# Altium PCB cyber60-alps.PcbDoc (part 1 of 4) (continued)
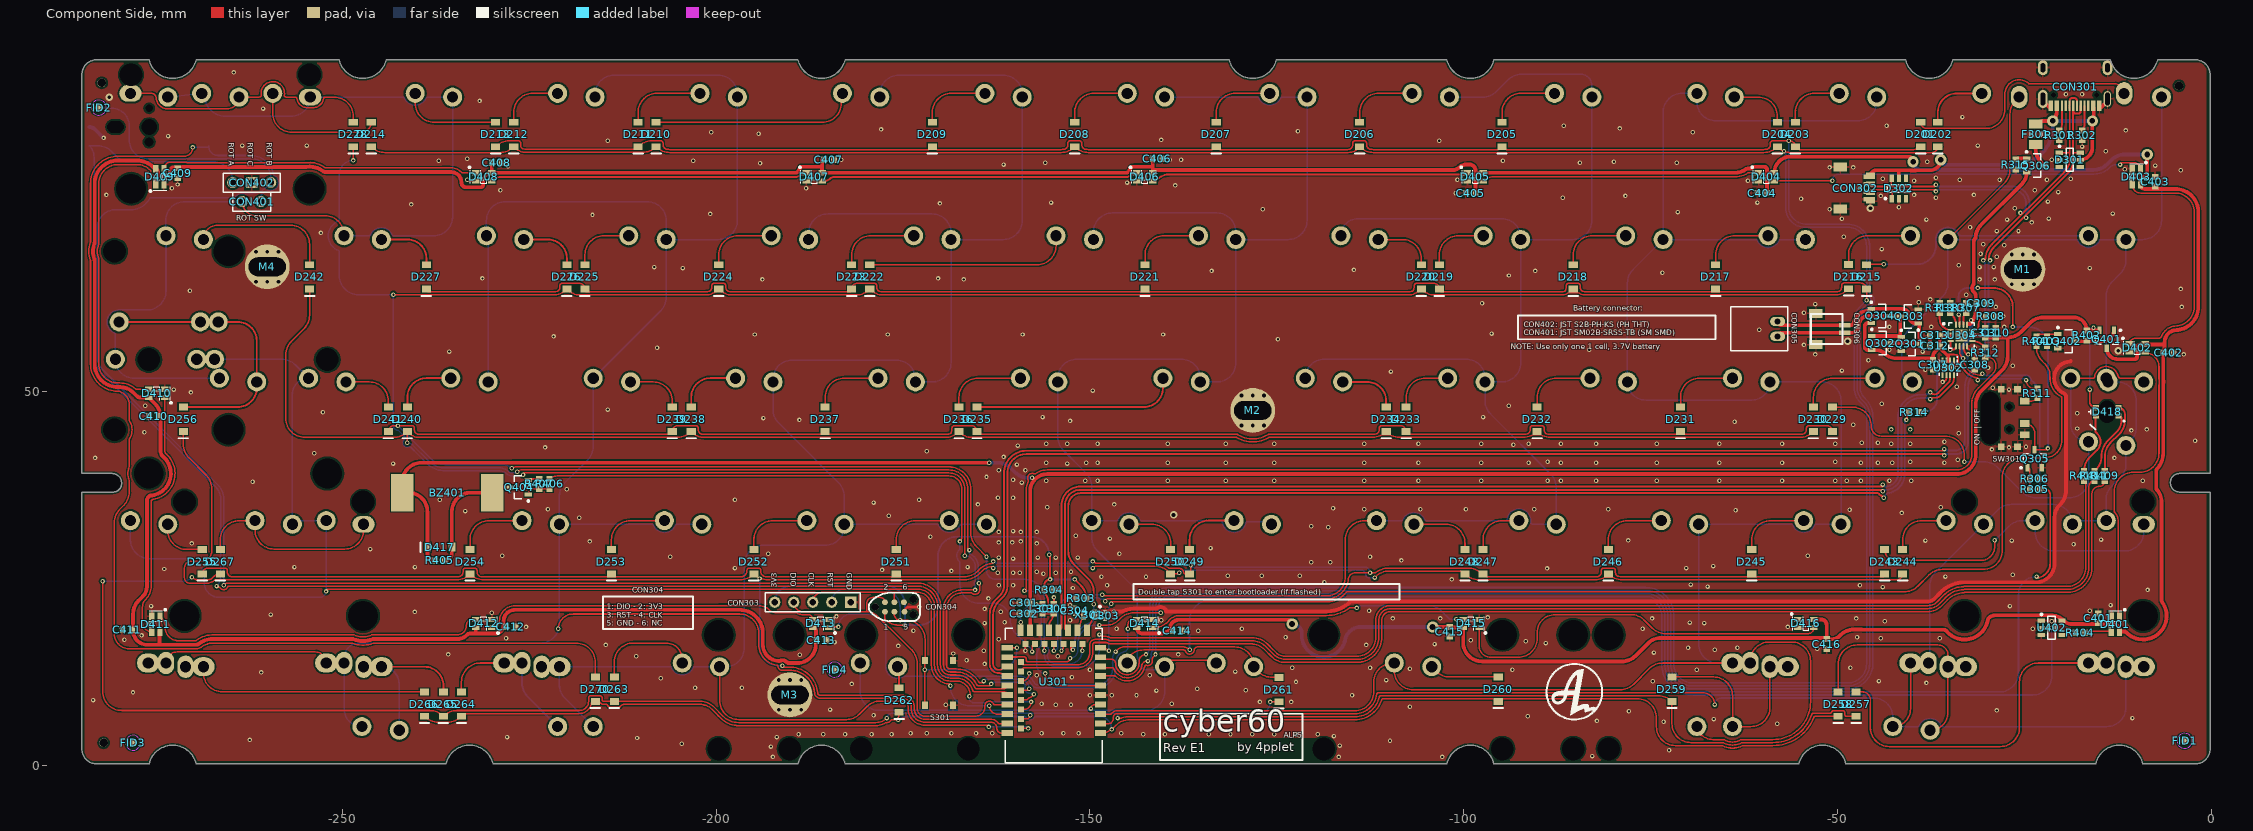
[diagram p0: Component Side view]
## Components (designator, comment, footprint, x,y, rotation, side; value= is the part's Value field where it differs from the comment) (continued)
S245 "MX" "Alps-switch - switched pol"#3 -52.012,28.265 r180 bottom locked
S246 "MX" "Alps-switch - switched pol"#3 -71.062,28.265 r180 bottom locked
S247 "MX" "Alps-switch - switched pol"#3 -90.112,28.265 r180 bottom locked
S248 "MX" Alps-switch#1 -109.162,28.265 r180 bottom locked
S249 "MX" "Alps-switch - switched pol"#3 -128.212,28.265 r180 bottom locked
S250 "MX" Alps-switch#2 -147.262,28.265 r180 bottom locked
S251 "MX" "Alps-switch - switched pol"#3 -166.312,28.265 r180 bottom locked
S252 "MX" "Alps-switch - switched pol"#3 -185.362,28.265 r180 bottom locked
S253 "MX" "Alps-switch - switched pol"#3 -204.412,28.265 r180 bottom locked
S254 "MX" "Alps-switch - switched pol"#3 -223.462,28.265 r180 bottom locked
S255 "MX" Alps-switch#1 -275.85,28.265 r180 bottom
S256 "MX" "ALPS-switch - Enter - rotated stab" -263.95,47.315 r180 bottom locked
S257 "MX" "ALPS-switch - 1.5u MOD-L" -13.912,9.215 r180 bottom locked
S258 "MX" "ALPS-switch - L_WIN - V3" -37.719,9.215 r180 bottom locked
S259 "MX" "ALPS-SWITCH - L_ALT - V3" -61.537,9.215 r180 bottom locked
S260 "MX" "ALPS-switch - 2.75U - Rotated stab" -106.78,9.215 r180 bottom locked
S261 "MX" "ALPS-switch - Space_V2" -142.499,9.215 r180 bottom locked
S262 "MX" "ALPS-switch - 2.75U - Rotated stab" -178.218,9.215 r180 bottom locked
S263 "MX" "Alps-switch - switched pol"#3 -202.031,9.215 r180 bottom locked
S264 "MX" "ALPS-SWITCH - R_ALT - V3" -223.462,9.215 r180 bottom locked
S265 "MX" "ALPS-switch - R_WIN V3" -247.269,9.215 r180 bottom
S266 "MX" "ALPS-switch - 1.5u MOD-R" -271.087,9.215 r180 bottom locked
S267 "MX" "ALPS-switch - right shift - stabs" -259.18,28.265 r180 bottom locked
S301 "SW-PB" "XKB SWITCH" -170.18,11.049 r270 top locked
SW301 "Korean Hroparts Elec K3-1296S-E2" "KOREAN HROPARTS ELEC K3-1296S-E2" -27,46.5 r180 top locked
U301 "E73-2G4M08S1C" E73-2G4M08S1C -154.813,0.356 r0 top locked
U302 "MAX17048" 8TDFN -35.179,53.213 r180 top
U304 "BQ24075" QFN16 -33.401,57.531 r0 top
U401 "EC-11 SMD" EC11-SMD -275.844,85.415 r90 bottom locked
U402 "SN74LV1T125" SOT-23-5 -21.336,18.415 r270 top
X301 "XTAL" XTAL-2012 -150.102,20.193 r180 top value=32.768KHz

## Footprints (in the part's own frame and the unit in brackets; to place one, negate y for a bottom-side part, rotate by r counter-clockwise, add the part's x,y. Pads: shape width x height; smd on the part's side, far side on the other; paste and mask are expansions set on the pad)
8TDFN [mm] "Generated for the MAX17048G+T10"
  rect 0.25x0.8 smd: 1(-0.75,-0.945) 2(-0.25,-0.945) 3(0.25,-0.945) 4(0.75,-0.945) 5(0.75,0.945) 6(0.25,0.945) 7(-0.25,0.945) 8(-0.75,0.945)
  rect 1.2x0.69 smd: 9(0,0)
  silkscreen extent -1.25,-1.5 1.2,1.05, body extent -1.05,-1.1 1.05,1.1, height 0.8
Alps-switch#1 [mm]
  round 2.54 hole 1.499 mask+0.102: 1(-2.5,4) 2(2.5,4.5)
  round 1 on Mech14: ""(0,0)
Alps-switch#2 [mm]
  round 2.54 hole 1.5 mask+0.102: 1(-2.5,4) 2(2.5,4.5)
  round 1 on Mech14: ""(0,0)
"ALPS-switch - 1.5U" [mm]
  round 2.54 hole 1.499 mask+0.102: 1(-2.5,4) 2(2.5,4.5)
  round 1 on Mech14: ""(0,0)
"ALPS-switch - 1.5u MOD-L" [mm]
  oval 3x2.54 hole 1.499 mask+0.102: 1(-4.881,4) 2(2.5,4.5)
  oval 2.2x3 hole 1.499 mask+0.102: 1(-2.5,4) 2(0.119,4.5)
  round 1 on Mech14: ""(-2.381,0) ""(0,0)
"ALPS-switch - 1.5u MOD-R" [mm]
  oval 3x2.54 hole 1.499 mask+0.102: 1(-2.5,4) 2(4.881,4.5)
  oval 2.2x3 hole 1.499 mask+0.102: 1(-0.119,4) 2(2.5,4.5)
  round 1 on Mech14: ""(0,0) ""(2.381,0)
"ALPS-switch - 2.75U - Rotated stab" [mil]
  round 100 hole 59 mask+4: 1(-98.43,157.48) 2(98.43,177.17)
  round 60 hole 120 unplated: ""(-470,-275) ""(470,-275)
  round 60 hole 157.01 unplated: ""(-470,325) ""(470,325)
  round 39.37 on Mech14: ""(0,0)
"ALPS-switch - backspace" [mil]
  round 100 hole 59 mask+4: 1(98.43,177.17) 1(276.57,157.48) 2(-98.43,157.48)
  oval 118.11x86.61 hole 59 mask+4: 2(473.43,177.17)
  round 60 hole 157.01 unplated: ""(-470,-325) ""(470,-325)
  round 60 hole 120 unplated: ""(-470,275) ""(470,275)
  round 39.37 on Mech14: ""(0,0) ""(375,0)
"ALPS-switch - CAPS" [mm]
  round 2.54 hole 1.499 mask+0.102: 1(-7.263,4) 1(0.119,-4) 1(2.5,4.5) 2(-4.881,-4.5) 2(-2.5,4) 2(-2.262,4.5)
  round 1 on Mech14: ""(-4.763,0) ""(-2.381,0) ""(0,0)
"ALPS-switch - Enter - rotated stab" [mil]
  round 100 hole 59 mask+4: 1(-98.43,157.48) 1(104.28,473.62) 1(198.03,473.62) 1(626.43,473.62) 2(98.43,177.17) 2(123.97,276.77) 2(217.72,276.77) 2(646.11,276.77)
  round 60 hole 157.01 unplated: ""(-470,-325) ""(50.2,-94.8) ""(50.2,845.2) ""(470,-325)
  round 60 hole 120 unplated: ""(-470,275) ""(470,275) ""(650.2,-94.8) ""(650.2,845.2)
  round 39.37 on Mech14: ""(0,0) ""(281.45,375.2) ""(375.2,375.2) ""(468.95,375.2)
"ALPS-SWITCH - L_ALT - V3" [mm]
  oval 3x2.54 hole 1.499 mask+0.102: 1(-4.881,4) 2(2.5,4.5)
  oval 2.2x3 hole 1.499 mask+0.102: 1(-2.5,4) 2(0.119,4.5)
  round 2.54 hole 1.499 mask+0.102: 1(2.5,-4) 2(7.263,-4)
  round 1 on Mech14: ""(-2.381,0.048) ""(0,0) ""(4.763,0)
"ALPS-switch - L_WIN - V3" [mm]
  oval 3x2.54 hole 1.499 mask+0.102: 1(-4.881,4) 2(2.5,4.5)
  oval 2.2x3 hole 1.499 mask+0.102: 1(-2.5,4) 2(0.119,4.5)
  round 2.54 hole 1.499 mask+0.102: 1(-0.119,-4.5) 2(4.881,-4)
  round 1 on Mech14: ""(-2.381,0) ""(0,0) ""(2.381,0)
"ALPS-switch - Left shift v2" [mil]
  oval 118.11x86.61 hole 59 mask+4.02: 1(-473.43,157.48)
  round 100 hole 59 mask+4.02: 1(98.43,177.17) 2(-276.57,177.17) 2(-98.43,157.48)
  round 60 hole 157.01 unplated: ""(-470,-325) ""(470,-325)
  round 60 hole 120 unplated: ""(-470,275) ""(470,275)
  round 39.37 on Mech14: ""(-375,0) ""(0,0)
"ALPS-SWITCH - R_ALT - V3" [mm]
  round 2.54 hole 1.499 mask+0.102: 1(-7.025,-4) 2(-2.262,-4)
  oval 3x2.54 hole 1.499 mask+0.102: 1(-2.5,4) 2(4.881,4.5)
  oval 2.2x3 hole 1.499 mask+0.102: 1(-0.119,4) 2(2.5,4.5)
  round 1 on Mech14: ""(-4.763,0) ""(0,0) ""(2.381,0)
"ALPS-switch - R_WIN V3" [mm]
  round 2.54 hole 1.499 mask+0.102: 1(-4.881,-4.5) 2(0.119,-4)
  oval 3x2.54 hole 1.499 mask+0.102: 1(-2.5,4) 2(4.881,4.5)
  oval 2.2x3 hole 1.499 mask+0.102: 1(-0.119,4) 2(2.5,4.5)
  round 1 on Mech14: ""(-2.381,0) ""(0,0) ""(2.381,0)
"ALPS-switch - right shift - stabs" [mil]
  round 100 hole 59 mask+4: 1(-276.57,177.17) 1(-98.43,157.48) 2(98.43,177.17)
  oval 118.11x86.61 hole 59 mask+4: 2(-473.43,157.48)
  round 60 hole 157.01 unplated: ""(-470,-325) ""(470,-325)
  round 60 hole 120 unplated: ""(-470,275) ""(470,275)
  round 39.37 on Mech14: ""(-375,0) ""(0,0)
"ALPS-switch - Space_V2" [mil]
  round 100 hole 59 mask+4.02: 1(-370.32,177.17) 1(-98.43,157.48) 2(-567.18,157.48) 2(98.43,177.17)
  round 60 hole 120 unplated: ""(-2437.4,-275) ""(-2250,-275) ""(1499.61,-275) ""(2250,-275)
  round 60 hole 157.01 unplated: ""(-2437.4,325) ""(-2250,325) ""(1499.61,325) ""(2250,325)
  round 39.37 on Mech14: ""(-468.75,0) ""(0,0)
"Alps-switch - switched pol"#1 [mm]
  oval 2.2x3 hole 1.499 mask+0.102: 1(2.5,4.5)
  round 2.54 hole 1.499 mask+0.102: 2(-2.5,4)
  round 1 on Mech14: ""(0,0)
"Alps-switch - switched pol"#2 [mm]
  round 2.54 hole 1.499 mask+0.102: 1(2.5,4.5)
  oval 2.2x3 hole 1.499 mask+0.102: 2(-2.5,4)
  round 1 on Mech14: ""(0,0)
"Alps-switch - switched pol"#3 [mm]
  round 2.54 hole 1.499 mask+0.102: 1(2.5,4.5) 2(-2.5,4)
  round 1 on Mech14: ""(0,0)
"Alps-switch - switched pol"#4 [mm]
  round 2.54 hole 1.499 mask+0.102: 1(2.5,4.5)
  oval 3x2.2 hole 1.499 mask+0.102: 2(-2.5,4)
  round 1 on Mech14: ""(0,0)
"buzzer 12x12" [mm] "Buzzer"
  rect 3x5 smd: 1(-6,0) 2(6,0)
  body extent -6,-6 6,6, height 3.05
C0402[1005] [mm] "Chip Resistor, 2-Leads, Body 1,00x0,50mm, IPC Medium Density"
  rect 0.55x0.55 smd: 1(-0.45,0) 2(0.45,0)
  body extent -0.32,-0.27 0.33,0.28, height 0.5
C0603[1608] [mm] "Chip Resistor, 2-Leads, Body 1,57x0,80mm, IPC Medium Density"
  rect 0.8x0.85 smd: 1(-0.65,0) 2(0.65,0)
  body extent -0.83,-0.43 0.82,0.43, height 0.5
C1206[3216] [mm]
  rect 1.2x1.8 smd: 1(-1.35,0) 2(1.35,0)
  silkscreen extent -0.35,-0.8 0.35,0.8, body extent -1.6,-0.9 1.6,0.9, height 1.2
E73-2G4M08S1C [mm]
  rect 1.5x0.8 smd: 1(6.25,3.97) 2(6.25,5.24) 3(6.25,6.51) 4(6.25,7.78) 5(6.25,9.05) 6(6.25,10.32) 7(6.25,11.59) 8(6.25,12.86) 9(6.25,14.13) 10(6.25,15.4) 26(-6.25,15.4) 27(-6.25,14.13) 29(-6.25,12.86) 31(-6.25,11.59) 33(-6.25,10.32) 35(-6.25,9.05) 37(-6.25,7.78) 39(-6.25,6.51) 41(-6.25,5.24) 43(-6.25,3.97)
  rect 0.8x1.5 smd: 11(4.44,17.75) 13(3.17,17.75) 15(1.9,17.75) 17(0.63,17.75) 19(-0.64,17.75) 21(-1.91,17.75) 23(-3.18,17.75) 25(-4.45,17.75)
  rect 0.8x0.8 smd: 12(3.81,15.9) 14(2.54,15.9) 16(1.27,15.9) 18(0,15.9) 20(-1.27,15.9) 22(-2.54,15.9) 24(-3.81,15.9) 28(-4.4,13.495) 30(-4.4,12.225) 32(-4.4,10.955) 34(-4.4,9.685) 36(-4.4,8.415) 38(-4.4,7.145) 40(-4.4,5.875) 42(-4.4,4.605)
  silkscreen extent -6.5,0 6.5,18, body extent -6.6,0.02 6.4,18.02, height 3
EC11-SMD [mm]
  rect 1.5x2 smd: 1(-2.5,8) 2(2.5,8) A(-2.5,-8) B(2.5,-8) C(0,-8)
  rect 2.5x3 smd: M(-6.75,0)
  rect 2.5x2.2 smd: M(6.75,0.508)
  round 0 hole 1.2 unplated: ""(-2,0)
  round 0 hole 1.6 slot 2.2 at 90 deg unplated: ""(0,-4.5)
  round 0 hole 2.1 unplated: ""(0,0)
  round 0 hole 1 unplated: ""(2.5,0)
  body extent -7.5,-8.5 7.5,8.5, height 19.5
Fiducial_Nordic [mm]
  round 1 smd paste+0 mask+0.5: 0(0,0)
  Component Side keep-out circle w0.01: c0,0 r1
HDR1X2 [mm] "Connector; Header; 2 Position"
  round 1.5 hole 0.9: 1(0,0) 2(2.54,0)
  silkscreen extent -1.27,-1.27 3.81,1.27
HDR1X3 [mm] "Connector; Header; 3 Position"
  round 1.5 hole 0.9: 1(0,0) 3(5.08,0)
  rect 1.5x1.5 hole 0.9: 2(2.54,0)
  silkscreen extent -1.27,-1.27 6.35,1.27
HDR1X5 [mm] "Connector; Header; 5 Position"
  rect 1.5x1.5 hole 0.9 mask+0.102: 1(0,0)
  round 1.5 hole 0.9 mask+0.102: 2(2.54,0) 3(5.08,0) 4(7.62,0) 5(10.16,0)
  silkscreen extent -1.27,-1.27 11.43,1.27
"JST S2B-PH-K(LF)(SN)" [mm]
  oval 1.25x2 hole 0.8: 1(1,0) 2(-1,0)
  body extent -2.95,-1.35 2.95,6.25, height 4.8
"JST SM02B-SRSS-TB" [mm]
  rect 0.6x1.55 smd: 1(-0.5,0) 2(0.5,0)
  rect 1.2x1.8 smd: 3(-2.1,-3.875) 3(2.1,-3.875)
  silkscreen extent -2,-4.57 2,-0.33, body extent -1.99,-4.58 1.99,0.41, height 3
"KOREAN HROPARTS ELEC K3-1296S-E2" [mm]
  rect 1.25x0.9 smd: 1(-2.075,-2.25) 2(-2.075,0.75) 3(-2.075,2.25)
  rect 0.9x0.9 smd: M(-1.1,3.85) M(-1.1,-3.85) M(1.1,3.85) M(1.1,-3.85)
  round 0 hole 0.9 unplated: ""(0,1.5) ""(0,-1.5)
  body extent -2.2,-3.85 2.7,3.85, height 1.45
L0603[1608] [mm] "Chip Resistor, 2-Leads, Body 1,57x0,80mm, IPC Medium Density"
  rect 0.8x0.85 smd: 1(-0.65,0) 2(0.65,0)
  body extent -0.83,-0.43 0.82,0.43, height 0.5
MHT151RGBCT [mm] "For MHT151RGBCT/E6CC1205RGBC3UDA"
  rect 0.8x0.7 smd: 1(1.5,-0.55) 2(-1.5,0.55) 3(1.5,0.55) 4(-1.5,-0.55)
  round 0 hole 2.1 slot 3 at 90 deg unplated: ""(0,0)
  silkscreen extent -2.57,-1.34 2.34,0.3, body extent -1.6,-0.8 1.6,0.8, height 0.33
mounting_hole [mm]
  round 1 hole 0.5 paste+0 mask+0: 1(-1.5,-2) 1(-1.5,2) 1(0,-2) 1(0,2) 1(1.5,-2) 1(1.5,2)
  round 6 hole 2.5 slot 5 at 0 deg: 1(0,0)
QFN16 [mm] "Generated for BQ24075RGTR"
  oval 0.85x0.25 smd: 1(-1.45,0.75) 2(-1.45,0.25) 3(-1.45,-0.25) 4(-1.45,-0.75) 9(1.45,-0.75) 10(1.45,-0.25) 11(1.45,0.25) 12(1.45,0.75)
  oval 0.25x0.85 smd: 5(-0.75,-1.45) 6(-0.25,-1.45) 7(0.25,-1.45) 8(0.75,-1.45) 13(0.75,1.45) 14(0.25,1.45) 15(-0.25,1.45) 16(-0.75,1.45)
  rect 1.6x1.6 smd: 17(0,0)
  silkscreen extent -2.5,-1.73 1.73,1.73, body extent -1.66,-1.66 1.66,1.66, height 1
R0603[1608] [mm] "Chip Resistor, 2-Leads, Body 1,57x0,80mm, IPC Medium Density"
  rect 0.8x0.85 smd: 1(-0.65,0) 2(0.65,0)
  body extent -0.83,-0.43 0.82,0.43, height 0.5
SOD-123 [mm]
  rect 0.91x1.22 smd: 1(1.635,0) 2(-1.635,0)
  silkscreen extent -2.54,-0.64 -2.54,0.63, body extent -1.87,-0.85 1.88,0.85, height 1.2
SOT-23-3 [mm] "3.3v regulator, used in Windsond S2 proto 1"
  rect 1x0.55 smd: 1(1.2,-0.95) 2(1.2,0.95) 3(-1.2,0)
  silkscreen extent -0.7,-1.95 1.32,1.55, body extent -1.1,-1.5 1.45,1.5, height 1
SOT-23-5 [mm]
  rect 0.55x1 smd: 1(-0.95,-1.375) 2(0,-1.375) 3(0.95,-1.375) 4(0.95,1.375) 5(-0.95,1.375)
  silkscreen extent -1.92,-1.5 1.55,0.46, body extent -1.5,-1.6 1.5,1.6, height 0.92
SOT-23-6 [mm]
  rect 1x0.55 smd: 1(1.375,-0.95) 2(1.375,0) 3(1.375,0.95) 4(-1.375,0.95) 5(-1.375,0) 6(-1.375,-0.95)
  silkscreen extent -0.46,-1.92 1.5,1.55, body extent -1.47,-1.49 1.37,1.44, height 1.05
TC2030-IDC-NL [mm] "Tag-Connect 6-Pin with No Legs (PN# TC2030-IDC-NL)"
  round 0.9 hole 0.995 unplated: 0(-2.54,0) 0(2.54,-1.016) 0(2.54,1.016)
  round 0.79 smd paste-0.39: 1(-1.27,-0.635) 2(-1.27,0.635) 3(0,-0.635) 4(0,0.635) 5(1.35,-0.635) 6(1.27,0.635)
  silkscreen extent -3.43,-1.91 3.43,1.9
TYPE-C-31-M-12 [mm]
  rect 0.6x1.45 smd: A1B12(-3.25,0) A4B9(-2.45,0) B1A12(3.25,0) B4A9(2.45,0)
  rect 0.3x1.45 smd: A5(-1.25,0) A6(-0.25,0) A7(0.25,0) A8(1.25,0) B5(1.75,0) B6(0.75,0) B7(-0.75,0) B8(-1.75,0)
  oval 1x2.1 / inner oval 1.3x2.4 / far side oval 1.3x2.4 hole 0.6 slot 1.7 at 90 deg: S1(-4.32,-0.915)
  oval 1.3x2 hole 0.6 slot 1.2 at 90 deg: S1(-4.32,-5.095) S1(4.32,-5.095)
  oval 1.3x2.4 / inner oval 1x2.1 / far side oval 1.3x2.4 hole 0.6 slot 1.7 at 90 deg: S1(4.32,-0.915)
  round 0 hole 0.65 unplated: ""(-2.89,-1.445) ""(2.89,-1.445)
  body extent -4.47,-7.72 4.47,0.18, height 3.21
UDB_COMBO_JST_MOLEX [mm]
  rect 0.6x1.2 smd: 1(-1.8,2.2) 2(-0.6,2.2) 3(0.6,2.2) 4(1.8,2.2)
  rect 0.6x1.55 smd: 1(-1.5,2.021) 2(-0.5,2.021) 3(0.5,2.021) 4(1.5,2.021)
  rect 0.85x1 smd: 5(-2.94,-1.887) 5(2.94,-1.887)
  rect 1.2x1.8 smd: 5(-2.8,-1.854) 5(2.8,-1.854)
  body extent -3.01,-2.62 2.99,2.33, height 2.96
"WS2812B - 2020" [mm]
  rect 1x0.7 smd: 1(1.065,0.55) 2(-1.065,0.55) 3(-1.065,-0.55) 4(1.065,-0.55)
  silkscreen extent -2.03,-0.89 0.38,1.4, body extent -1.1,-1 1.1,1, height 0.86
"XKB SWITCH" [mm] "XKB Enterprise TS-1187A-C-D-B"
  rect 1x0.75 smd: 1(-3,1.875) 1(3,1.875) 2(-3,-1.875) 2(3,-1.875)
  body extent -3.25,-2.55 3.25,2.55, height 2
XTAL-2012 [mm]
  rect 0.7x1.4 smd: 1(-0.75,0) 2(0.75,0)
  silkscreen extent -1.57,-1.19 -1.32,-0.94

## Part data
BZ401: library part Speaker, "Loudspeaker", LCSC MFG=Fengming, LCSC Part #=C409829, MRF.Part=YS-SBZ1230
C301 C307 C309 C401 C402 C403 C404 C405 C406 C407 C408 C409 C410 C411 C412 C413 C414 C415 C416: library part Cap, "Capacitor", LCSC MFG=YAGEO, LCSC Part #=C14663, MRF.Part=CC0603KRX7R9BB104, Version="0603 imperial"
  C401 C402 C403 C404 C405 C406 C407 C408 C409 C410 C411 C412 C413 C414 C415 C416: MFG=KEMET, MFGPN=C0603C104M5RACTU
C302 C311 C313: library part Cap, "Capacitor", LCSC MFG="Samsung Electro-Mechanics", LCSC Part #=C19666, MRF.Part=CL10A475KO8NNNC
  C302: Version="0603 imperial"
C303 C304: library part Cap, "Capacitor", LCSC MFG="FH (Guangdong Fenghua Advanced Tech)", LCSC Part #=C1547, MRF.Part=0402CG120J500NT, Version=0402
C305 C308 C310 C312: library part Cap, "Capacitor", LCSC MFG="Samsung Electro-Mechanics", LCSC Part #=C15849, MRF.Part=CL10A105KB8NNNC, Version="0603 imperial"
CON301: LCSC MFG="Korean Hroparts Elec", LCSC Part #=C165948, MFG="Korean Hroparts Elec", MFGPN=TYPE-C-31-M-12, MRF.Part=TYPE-C-31-M-12
CON302: "JST for USB daughter board", LCSC MFG="JST Sales America", LCSC Part #=C160404, MFG="JST Sales America Inc.", MFGPN=SM04B-SRSS-TB(LF)(SN), MRF.Part=SM04B-SRSS-TB(LF)(SN)
CON303: "Header, 5-Pin"
CON304: library part "Header 3X2", "Header, 3-Pin, Dual row"
CON305: library part "Header 2", "Header, 2-Pin", LCSC MFG="JST Sales America", LCSC Part #=C265016, MRF.Part=S2B-PH-K(LF)(SN)
CON306: library part "JST S2B-PH-SM4-TB", LCSC MFG="JST Sales America", LCSC Part #=C160402, MRF.Part=SM02B-SRSS-TB(LF)(SN)
CON401: "Header, 2-Pin"
CON402: "Header, 3-Pin"
D201 D202 D203 D204 D205 D206 D207 D208 D209 D210 D211 D212 D213 D214 D215 D216 D217 D218 D219 D220 D221 D222 D223 D224 D225 D226 D227 D228 D229 D230 D231 D232 D233 D234 D235 D236 D237 D238 D239 D240 D241 D242 D243 D244 D245 D246 D247 D248 D249 D250 D251 D252 D253 D254 D255 D256 D257 D258 D259 D260 D261 D262 D263 D264 D265 D266 D267 D270: "Default Diode", LCSC MFG=ST(Semtech), LCSC Part #=C81598, MRF.Part=1N4148W, Version=SOD-123
D301 D302: LCSC MFG="ProTek Devices", LCSC Part #=C85364, MRF.Part=SRV05-4-P-T7
D401 D402 D403 D404 D405 D406 D407 D408 D409 D410 D411 D412 D413 D414 D415 D416: LCSC MFG=Worldsemi, LCSC Part #=C965556, MRF.Part=WS2812C-2020
D417: library part Diode, "Default Diode", LCSC MFG="Changjiang Electronics Tech (CJ)", LCSC Part #=C8598, MRF.Part=B5819W, Version=SOD-123
D418: LCSC MFG=EKINGLUX, LCSC Part #=C2802677, MRF.Part=E6CC1205RGBC3UDA
F301: "Thermal Fuse", LCSC MFG="Shenzhen JDT Fuse", LCSC Part #=C135338, MFG="Bel Fuse Inc.", MFGPN=0ZCJ0050FF2G, MRF.Part=ASMD1206-050
L301: LCSC MFG="Taiyo Yuden", LCSC Part #=C92982, MRF.Part=CBMF1608T100K
Q301 Q303 Q305 Q402 Q404: library part MOSFET-N, "N-Channel MOSFET", LCSC MFG="Changjiang Electronics Tech (CJ)", LCSC Part #=C8545, MRF.Part=2N7002
Q302 Q304 Q306 Q401: library part PMOS-2, "P-Channel Power MOSFET", LCSC MFG="Vishay Intertech", LCSC Part #=C10487, MRF.Part=SI2301CDS-T1-GE3, Note="Pin 4 not drawn and electrically connected to Pin 2."
R301 R302: "Resistor", LCSC MFG="Uniroyal Elec", LCSC Part #=C23186, MFG="Panasonic Electronic Components", MFGPN=ERJ-3EKF5101V, MRF.Part=0603WAF5101T5E, Version="0603 imperial"
R303 R304 R306 R311 R312 R313 R314: "Resistor", LCSC MFG="Uniroyal Elec", LCSC Part #=C25804, MRF.Part=0603WAF1002T5E, Version="0603 imperial"
R305: "Resistor", LCSC MFG="UNI-ROYAL(Uniroyal Elec)", LCSC Part #=C22775, MRF.Part=0603WAF1000T5E, Version="0603 imperial"
R307: "Resistor", LCSC MFG="UNI-ROYAL(Uniroyal Elec)", LCSC Part #=C25819, MRF.Part=0603WAF4702T5E, Version="0603 imperial"
R308 R315: "Resistor", LCSC MFG="UNI-ROYAL(Uniroyal Elec)", LCSC Part #=C22843, MRF.Part=0603WAF1501T5E, Version="0603 imperial"
R310: "Resistor", LCSC MFG="UNI-ROYAL(Uniroyal Elec)", LCSC Part #=C23018, MRF.Part=0603WAF3901T5E, Version="0603 imperial"
R401 R404 R406 R409 R410 R411: "Resistor", LCSC MFG="Uniroyal Elec", LCSC Part #=C23138, MRF.Part=0603WAF3300T5E, Version="0603 imperial"
R402: "Resistor", LCSC MFG="Uniroyal Elec", LCSC Part #=C22976, MRF.Part=0603WAF2004T5E, Version="0603 imperial"
R403: "Resistor", LCSC MFG="Uniroyal Elec", LCSC Part #=C22935, MRF.Part=0603WAF1004T5E, Version="0603 imperial"
R405: "Resistor", LCSC MFG="Uniroyal Elec", LCSC Part #=C23228, MRF.Part=0603WAF6800T5E, Version="0603 imperial"
R407: "Resistor", LCSC MFG="Uniroyal Elec", LCSC Part #=C25803, MRF.Part=0603WAF1003T5E, Version="0603 imperial"
S201 S202 S203 S204 S205 S206 S207 S208 S209 S210 S211 S212 S213 S214 S216 S217 S218 S219 S220 S221 S222 S223 S224 S225 S226 S227 S228 S229 S230 S231 S232 S233 S234 S235 S236 S237 S238 S239 S240 S241 S242 S243 S244 S245 S246 S247 S248 S249 S250 S251 S252 S253 S254 S255 S256 S257 S258 S259 S260 S261 S262 S263 S264 S265 S266 S267: library part SW-PB, "Switch"
S215: library part SW-PB, "TAB"
S301: "Switch", LCSC MFG="XKB Enterprise", LCSC Part #=C318888, MRF.Part=TS-1187A-C-D-B
SW301: LCSC MFG="Korean Hroparts Elec", LCSC Part #=C136659, MFGPN=K3-1296S-E2
U301: LCSC MFG="Chengdu Ebyte Elec Tech", LCSC Part #=C356849, MRF.Part=E73-2G4M08S1C
U302: LCSC MFG="Analog Devices Inc./Maxim Integrated", LCSC Part #=C2682616, MRF.Part=MAX17048G+T10
U304: LCSC MFG="Texas Instruments", LCSC Part #=C15464, MRF.Part=BQ24075RGTR
U401: library part EC-11
U402: "SN74LV1T125 or SN74LV1T34. Connect OE to GND", LCSC MFG="Texas Instruments", LCSC Part #=C473338, MRF.Part=SN74LV1T125DBVR, Version=SOT-23
X301: "Crystal Oscillator", LCSC MFG="Seiko Epson", LCSC Part #=C55208, MRF.Part=X1A0000610002, Version="3225, 18pF"
M1 M2 M3 M4: LatestRevisionDate=17-Jul-2002, LatestRevisionNote="Re-released for DXP Platform.", Publisher="Altium Limited"

## Free pads (board coordinates)
  round 1.152 hole 1.152 unplated paste+0.148 mask+0.148: ""(-282.194,91.313) ""(-281.94,3.048) ""(-4.318,90.932)
  round 0 hole 2.5 slot 7 at 90 deg unplated: ""(-29.575,46.482)

## Via types
v1: diameter 0.6, hole 0.3, Component Side to Bottom Layer, tented both sides, 651 vias
v2: diameter 1, hole 0.5, Component Side to Bottom Layer, tented both sides, 5 vias
v3: diameter 1.5, hole 0.75, Component Side to Bottom Layer, tented both sides, 5 vias
v4: diameter 1.5, hole 0.8, Component Side to Bottom Layer, tented both sides, 2 vias

## Nets (pads, with @x,y where several pads share a name; then routed paths per layer and width w, separated by ;. In a path a pad name is that pad's centre, name@x,y a point inside that pad or via, vN(x,y) a via of type N, cw(c..) or ccw(c..) an arc to the next point about the centre after c; other vN are vias at no path point)
BLUE: R410.2 U301.20 | length 164.5
  Component Side w0.203: v1(-156.083,15.367) U301.20@-156.083,16.256 ; -148.563,17.264 -147.813,17.264 cw(c-147.813,16.156) -147.241,17.105 ccw(c-147.137,17.279) -147.138,17.076 -140.582,17.076 ccw(c-140.583,17.279) -140.55,17.079 cw(c-140.412,16.256) -140.412,17.09 -128.294,17.09 cw(c-128.294,14.147) -126.214,16.229 ; -126.213,16.228 -125.525,15.54 -125.221,15.236 -125.099,15.115 ccw(c-123.871,16.339) -123.871,14.605 -114.3,14.605 ccw(c-114.3,17.145) -111.76,17.145 -111.76,19.431 cw(c-109.793,19.431) -109.793,21.398 -37.889,21.398 ccw(c-37.889,23.132) -37.277,21.51 ccw(c-37.889,23.132) -36.663,21.906 -35.976,22.593 -35.863,22.706 cw(c-32.994,20.01) -35.137,23.313 cw(c-32.994,20.01) -33.994,23.818 cw(c-32.994,20.01) -33.169,23.943 ccw(c-33.178,24.146) -33.146,23.945 cw(c-33.02,23.149) -33.02,23.955 -19.329,23.955 ccw(c-19.329,26.521) -16.764,26.521 -16.764,37.831 ccw(c-17.018,37.831) R410.2@-17.018,38.085
  Bottom Layer w0.203: v1(-156.083,15.367) -156.083,14.732 ccw(c-154.559,14.732) -154.559,13.208 -151.257,13.208 ccw(c-151.257,15.748) -148.717,15.748 v1(-148.717,17.526)
BUZZ: R406.2 U301.22 | length 85.3
  Component Side w0.203: R406.2@-222.281,38.318 cw(c-221.264,37.301) -221.264,38.739 -168.866,38.739 cw(c-168.866,37.006) -167.132,37.006 -167.132,30.585 cw(c-167.999,30.585) v1(-167.386,29.972) ; v1(-157.734,15.24) -157.734,15.875 cw(c-157.353,15.875) U301.22@-157.353,16.256
  Bottom Layer w0.203: v1(-167.386,29.972) -167.386,29.005 cw(c-167.589,29.006) -167.453,28.855 ccw(c-166.751,28.067) -167.494,27.317 ccw(c-167.194,27.624) -167.462,27.289 cw(c-167.589,27.13) -167.386,27.131 -167.386,24.257 ccw(c-164.846,24.257) -164.846,21.717 -162.941,21.717 cw(c-162.941,19.431) -160.655,19.431 ccw(c-158.202,19.431) -159.937,17.697 -157.914,15.674 cw(c-158.347,15.24) v1(-157.734,15.24)
CHG: R312.2 U301.6 | length 180.1
  Component Side w0.203: v1@-158.545,23.241 -158.545,36.698 cw(c-155.702,36.698) -158.383,37.642 cw(c-155.702,36.698) -158.241,37.976 ccw(c-158.423,38.066) -158.249,38.17 cw(c-157.734,38.481) -157.492,39.032 ccw(c-157.412,39.219) -157.299,39.05 cw(c-155.702,36.698) -155.702,39.541 -34.061,39.541 ccw(c-34.061,41.554) -33.954,39.543 -33.953,39.544 ccw(c-34.061,41.554) -32.164,40.878 ccw(c-34.061,41.554) -32.048,41.554 -32.048,48.311 cw(c-28.931,48.311) -31.487,50.094 cw(c-28.931,48.311) -31.133,50.516 -29.132,52.517 ; v1(-155.956,12.319) ccw(c-154.313,12.319) -154.313,10.676 U301.6@-148.563,10.676 ; R312.2@-30.226,54.595 -29.83,54.595 cw(c-29.83,53.594) -28.829,53.594 -28.829,53.249 cw(c-29.865,53.249) -29.132,52.517
  Bottom Layer w0.203: v1(-158.75,23.368) -158.137,23.368 cw(c-158.137,21.717) -156.486,21.717 -156.486,16.255 cw(c-156.844,16.255) -156.591,16.002 ccw(c-155.365,14.776) -156.842,15.684 ccw(c-155.365,14.776) -157.099,14.776 -157.099,13.462 ccw(c-155.956,13.462) v1(-155.956,12.319)
col1: S201.2 S202.2 S215.2 S216.2 S229.2 S230.2 S243.2 S244.2 S257.1 S258.2 U301.2 | length 338.8
  Component Side w0.203: U301.2@-148.563,5.596 -147.517,5.596 ccw(c-147.517,6.221) -146.904,6.098 ccw(c-147.517,6.221) -146.892,6.221 cw(c-146.304,6.35) -146.233,6.947 ccw(c-146.211,7.149) -146.212,6.946 -145.822,6.946 cw(c-145.823,6.743) -145.81,6.946 ccw(c-145.659,9.154) -145.659,6.941 -114.554,6.941 ccw(c-114.554,9.884) -111.629,9.56 cw(c-111.427,9.537) -111.428,9.74 -68.011,9.74 cw(c-68.011,8.15) v1(-66.421,8.15) ; S258.2@-42.6,5.215 ccw(c-42.6,7.596) -40.219,7.596 S258.2@-40.219,13.715 ; S258.2@-40.561,14.17 ccw(c-40.561,14.597) S258.2@-40.259,14.295 ; S216.2@-34.246,70.365 cw(c-34.29,72.905) -34.29,70.365 S216.2@-35.225,70.365 -27.668,77.922 ccw(c-29.464,79.718) -26.924,79.718 -26.924,87.139 cw(c-24.384,87.139) -26.18,88.935 S202.2@-25.7,89.415
  Bottom Layer w0.203: v1(-66.421,8.15) cw(c-65.538,8.15) -65.538,9.033 -45.14,9.033 cw(c-45.14,6.493) -42.6,6.493 S258.2@-42.6,5.215 -39.23,5.215 ccw(c-39.23,5.418) -39.043,5.338 cw(c-37.6,4.715) -36.157,5.337 ccw(c-35.971,5.418) -35.971,5.215 -24.638,5.215 -13.952,5.215 ccw(c-13.952,7.755) -11.412,7.755 S257.1@-11.412,13.215 ; S230.2@-39.987,51.315 cw(c-39.987,52.73) -41.402,52.73 -41.402,56.225 cw(c-38.862,56.225) -40.658,58.021 -35.969,62.71 ccw(c-37.765,64.506) -35.225,64.506 S216.2@-35.225,70.365 -18.043,70.365 cw(c-18.042,70.162) -17.855,70.242 ccw(c-16.412,70.865) -14.97,70.242 cw(c-14.783,70.162) -14.782,70.365 S215.2@-11.491,70.365 ; S258.2@-37.838,13.715 cw(c-35.678,13.715) -37.658,14.578 -37.658,24.015 cw(c-35.118,24.015) -36.914,25.811 S244.2@-30.46,32.265 -28.551,34.174 cw(c-26.737,32.36) -26.737,34.925 -21.122,34.925 cw(c-21.122,32.36) -18.556,32.36 S243.2@-18.556,32.265 cw(c-18.056,32.265) -18.056,32.765 S243.2@-14.651,32.765 ; S243.2@-14.031,32.765 S243.2@-14.651,32.765 ; S229.2@-13.794,51.315 -12.564,51.315 cw(c-12.564,48.775) -11.075,50.833 cw(c-12.564,48.775) -10.024,48.775 -10.024,45.256 cw(c-12.564,45.256) -10.066,44.795 ccw(c-9.766,44.74) -10.069,44.772 ccw(c-9.766,44.74) -10.069,44.771 cw(c-10.668,44.831) -10.101,44.63 ccw(c-9.814,44.529) -10.101,44.629 ccw(c-9.814,44.529) -10.108,44.606 cw(c-12.564,45.256) -10.768,43.46 S229.2@-11.412,42.815 -11.412,40.313 cw(c-13.952,40.313) -12.156,38.517 -13.327,37.346 ccw(c-11.531,35.55) -14.071,35.55 -14.071,33.345 S243.2@-14.651,32.765 ; S229.2@-13.081,51.815 S229.2@-14.031,51.815 -14.031,62.895 cw(c-11.491,62.895) -13.287,64.691 -12.156,65.822 ccw(c-13.952,67.618) -11.412,67.618 S215.2@-11.412,70.365 -9.19,70.365 ccw(c-9.19,72.905) -8.564,70.443 ccw(c-9.19,72.905) -6.65,72.905 S201.2@-6.65,89.415
col2: S203.2 S204.2 S217.2 S218.2 S231.2 S232.2 S245.2 S246.2 S259.2 S260.2 U301.3 | length 312.2
  Component Side w0.203: U301.3@-148.563,6.866 -147.274,6.866 ccw(c-147.275,7.069) -147.112,6.948 cw(c-146.304,6.35) -146.208,7.35 ccw(c-146.19,7.553) -146.191,7.349 -145.822,7.349 cw(c-145.823,6.743) -145.783,7.348 cw(c-145.823,6.743) -145.78,7.348 ccw(c-145.659,9.154) -145.659,7.344 -114.554,7.344 ccw(c-114.554,9.884) -112.014,9.884 -112.014,11.175 cw(c-109.474,11.175) -109.474,13.715 S260.2@-109.28,13.715 -109.28,12.683 ccw(c-106.74,12.683) -106.74,10.143 -79.047,10.143 ccw(c-79.047,12.683) -77.251,10.887 -75.167,12.971 cw(c-73.371,11.175) -73.371,13.715 S259.2@-64.037,13.715 ; S259.2@-68.799,5.215 ccw(c-67.058,5.215) -68.444,4.161 ccw(c-68.282,4.284) -68.314,4.083 cw(c-68.408,3.484) -68.024,3.953 ccw(c-66.675,5.61) -66.675,3.473 -65.227,3.473 cw(c-65.226,3.27) -65.12,3.444 ccw(c-64.037,5.215) -62.954,3.444 cw(c-62.848,3.27) -62.847,3.473 -58.624,3.473 ccw(c-58.624,8.503) -53.594,8.503 -53.594,13.981 ccw(c-56.134,13.981) -56.132,16.521 ccw(c-56.134,13.981) -56.134,16.521 -56.251,16.521 -59.116,16.521 ccw(c-59.116,13.981) -61.656,13.981 S259.2@-61.656,13.715
  Bottom Layer w0.203: S259.2@-64.037,13.715 -66.022,13.715 cw(c-66.022,16.255) -68.562,16.255 S246.2@-68.562,32.265 -56.143,32.265 cw(c-56.142,32.062) -55.955,32.142 ccw(c-54.512,32.765) -53.069,32.142 cw(c-52.883,32.062) -52.882,32.265 S245.2@-49.512,32.265 -49.512,48.775 ccw(c-52.052,48.775) -52.052,51.315 S231.2@-59.037,51.315 cw(c-61.457,51.315) -61.457,48.895 -75.667,48.895 cw(c-75.667,51.315) S232.2@-78.087,51.315 -78.087,64.55 cw(c-75.547,64.55) -77.344,66.346 S218.2@-73.325,70.365 ; S217.2@-54.275,70.365 -57.644,70.365 ccw(c-57.645,70.162) -57.832,70.242 cw(c-59.275,70.865) -60.718,70.242 ccw(c-60.905,70.162) -60.906,70.365 S218.2@-73.325,70.365 ; S203.2@-44.75,89.415 -44.75,88.773 cw(c-47.29,88.773) -47.29,86.233 -66.26,86.233 cw(c-66.26,88.773) -68.8,88.773 S204.2@-68.8,89.915 -70.785,89.915 ccw(c-70.785,87.375) -73.325,87.375 S218.2@-73.325,70.365